# Altium PCB PDB_PCB2.PcbDoc (part 1 of 3) (continued)
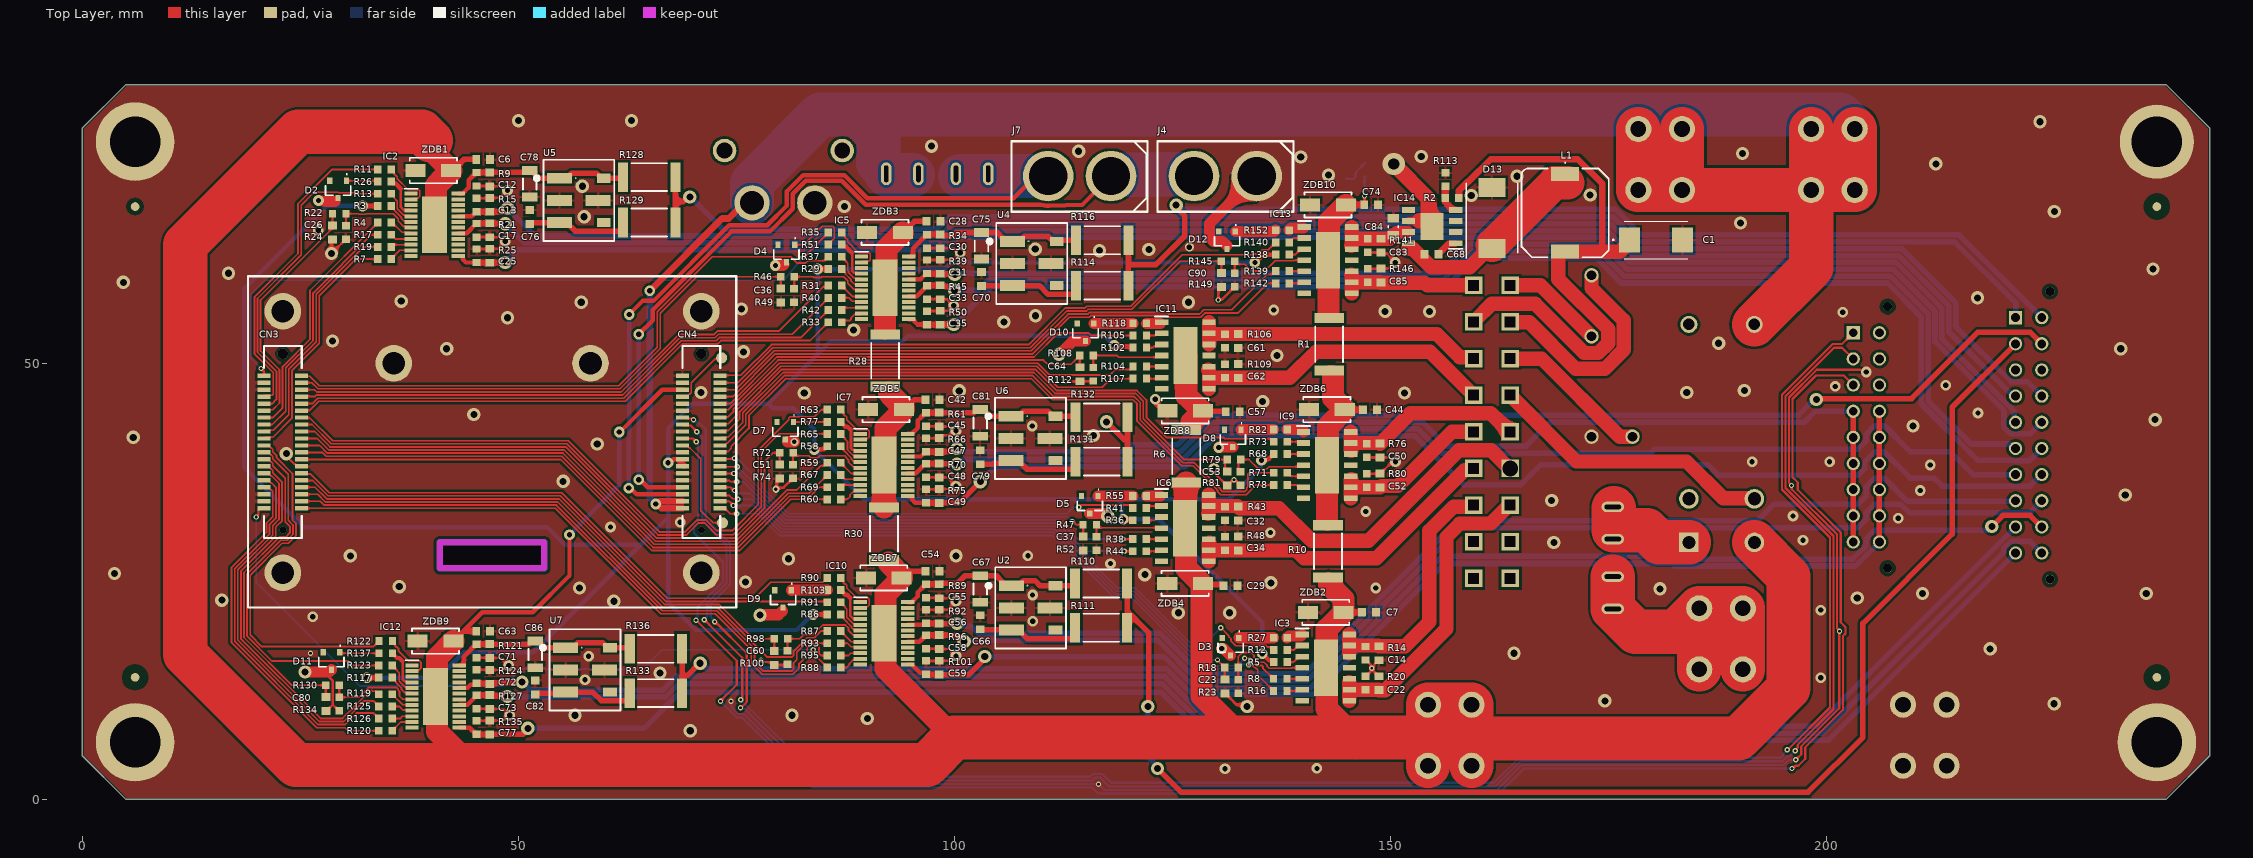
[diagram p0: Top Layer view]
## Design rules (kind name [scope] priority, off if disabled: settings) (continued)
Width [All] p1: maxlimit=5.08 minlimit=0.152 preferedwidth=0.254
15 further rules are at their usual default settings.

## Components (designator, comment, footprint, x,y, rotation, side; value= is the part's Value field where it differs from the comment)
C1 "10TPB330M" POSCAP_D12_D15_D15E_D2E_D2_D3L_D4 180.492,64.175 r0 top
C6 "100nF" CAPC1608X08N__0603CAPUNPOLE 45.974,73.406 r0 top
C7 "100nF" CAPC1608X08N__0603CAPUNPOLE 147.574,21.463 r0 top
C12 "10nF" CAPC1608X08N__0603CAPUNPOLE 46.736,71.12 r90 top
C13 "10nF" CAPC1608X08N__0603CAPUNPOLE 46.736,68.199 r270 top
C14 "10nF" CAPC1608X08N__0603CAPUNPOLE 148.717,16.764 r90 top
C17 "10nF" CAPC1608X08N__0603CAPUNPOLE 46.736,65.278 r90 top
C22 "10nF" CAPC1608X08N__0603CAPUNPOLE 148.717,13.335 r270 top
C23 "100pF" CAPC1608X08N__0603CAPUNPOLE 131.064,12.954 r90 top
C25 "10nF" CAPC1608X08N__0603CAPUNPOLE 46.736,62.357 r270 top
C26 "100pF" CAPC1608X08N__0603CAPUNPOLE 28.702,65.024 r90 top
C28 "100nF" CAPC1608X08N__0603CAPUNPOLE 97.643,66.301 r0 top
C29 "100nF" CAPC1608X08N__0603CAPUNPOLE 131.679,24.524 r0 top
C30 "10nF" CAPC1608X08N__0603CAPUNPOLE 98.405,64.015 r90 top
C31 "10nF" CAPC1608X08N__0603CAPUNPOLE 98.405,61.094 r270 top
C32 "10nF" CAPC1608X08N__0603CAPUNPOLE 132.568,32.779 r90 top
C33 "10nF" CAPC1608X08N__0603CAPUNPOLE 98.405,58.173 r90 top
C34 "10nF" CAPC1608X08N__0603CAPUNPOLE 132.568,29.35 r270 top
C35 "10nF" CAPC1608X08N__0603CAPUNPOLE 98.405,55.252 r270 top
C36 "100pF" CAPC1608X08N__0603CAPUNPOLE 80.117,57.792 r90 top
C37 "100pF" CAPC1608X08N__0603CAPUNPOLE 114.788,29.35 r90 top
C42 "100nF" CAPC1608X08N__0603CAPUNPOLE 97.516,45.854 r0 top
C44 "100nF" CAPC1608X08N__0603CAPUNPOLE 147.701,44.704 r0 top
C45 "10nF" CAPC1608X08N__0603CAPUNPOLE 98.278,43.568 r90 top
C47 "10nF" CAPC1608X08N__0603CAPUNPOLE 98.278,40.647 r270 top
C48 "10nF" CAPC1608X08N__0603CAPUNPOLE 98.278,37.726 r90 top
C49 "10nF" CAPC1608X08N__0603CAPUNPOLE 98.278,34.805 r270 top
C50 "10nF" CAPC1608X08N__0603CAPUNPOLE 148.844,40.005 r90 top
C51 "100pF" CAPC1608X08N__0603CAPUNPOLE 79.99,37.599 r90 top
C52 "10nF" CAPC1608X08N__0603CAPUNPOLE 148.844,36.576 r270 top
C53 "100pF" CAPC1608X08N__0603CAPUNPOLE 131.318,36.817 r90 top
C54 "100nF" CAPC1608X08N__0603CAPUNPOLE 97.516,26.169 r0 top
C55 "10nF" CAPC1608X08N__0603CAPUNPOLE 98.278,23.883 r90 top
C56 "10nF" CAPC1608X08N__0603CAPUNPOLE 98.278,20.962 r270 top
C57 "100nF" CAPC1608X08N__0603CAPUNPOLE 131.953,44.45 r0 top
C58 "10nF" CAPC1608X08N__0603CAPUNPOLE 98.278,18.041 r90 top
C59 "10nF" CAPC1608X08N__0603CAPUNPOLE 98.298,15.113 r270 top
C60 "100pF" CAPC1608X08N__0603CAPUNPOLE 79.355,16.225 r90 top
C61 "10nF" CAPC1608X08N__0603CAPUNPOLE 132.588,52.578 r90 top
C62 "10nF" CAPC1608X08N__0603CAPUNPOLE 132.588,49.149 r270 top
C63 "100nF" CAPC1608X08N__0603CAPUNPOLE 45.974,19.304 r0 top
C64 "100pF" CAPC1608X08N__0603CAPUNPOLE 114.427,48.768 r90 top
C66 "22uF\10V" CAPC1608X08N__0603CAPUNPOLE 102.997,20.32 r270 top
C67 "10uF 50V" CAPC3216X16N_1206CAPUNPOLE 102.997,24.13 r90 top
C68 "10nF" CAPC1608X08N__0603CAPUNPOLE 154.762,62.526 r180 top
C70 "22uF\10V" CAPC1608X08N__0603CAPUNPOLE 103.124,59.69 r270 top
C71 "10nF" CAPC1608X08N__0603CAPUNPOLE 46.736,17.018 r90 top
C72 "10nF" CAPC1608X08N__0603CAPUNPOLE 46.736,14.059 r270 top
C73 "10nF" CAPC1608X08N__0603CAPUNPOLE 46.736,11.176 r90 top
C74 "100nF" CAPC1608X08N__0603CAPUNPOLE 147.828,68.199 r0 top
C75 "10uF 50V" CAPC3216X16N_1206CAPUNPOLE 103.124,63.501 r90 top
C76 "22uF\10V" CAPC1608X08N__0603CAPUNPOLE 51.308,66.802 r270 top
C77 "10nF" CAPC1608X08N__0603CAPUNPOLE 46.736,8.255 r270 top
C78 "10uF 50V" CAPC3216X16N_1206CAPUNPOLE 51.308,70.612 r90 top
C79 "22uF\10V" CAPC1608X08N__0603CAPUNPOLE 102.977,39.25 r270 top
C80 "100pF" CAPC1608X08N__0603CAPUNPOLE 27.94,10.935 r90 top
C81 "10uF 50V" CAPC3216X16N_1206CAPUNPOLE 102.977,43.187 r90 top
C82 "22uF\10V" CAPC1608X08N__0603CAPUNPOLE 51.943,12.827 r270 top
C83 "10nF" CAPC1608X08N__0603CAPUNPOLE 148.951,63.513 r90 top
C84 "22uF" CAPC2012X06N__0805CAPUNPOLE 150.368,65.684 r270 top
C85 "10nF" CAPC1608X08N__0603CAPUNPOLE 148.951,60.084 r270 top
C86 "10uF 50V" CAPC3216X16N_1206CAPUNPOLE 51.943,16.637 r90 top
C90 "100pF" CAPC1608X08N__0603CAPUNPOLE 130.663,59.576 r90 top
CN3 "BTB_0.8mm_40Pin_Mother" BTB_0.8mm_40PIN_M 23,41 r0 top
CN4 "BTB_0.8mm_40Pin_Mother" BTB_0.8mm_40PIN_M 71,41 r0 top
D2 "BAS21,215" BAS21215 29.337,69.961 r180 top
D3 "BAS21,215" BAS21215 131.699,17.526 r180 top
D4 "BAS21,215" BAS21215 80.752,62.618 r180 top
D5 "BAS21,215" BAS21215 115.55,33.795 r180 top
D7 "BAS21,215" BAS21215 80.625,42.298 r180 top
D8 "BAS21,215" BAS21215 131.953,41.402 r180 top
D9 "BAS21,215" BAS21215 80.371,22.994 r180 top
D10 "BAS21,215" BAS21215 115.062,53.594 r180 top
D11 "BAS21,215" BAS21215 28.575,15.875 r180 top
D12 "BAS21,215" BAS21215 131.298,64.148 r180 top
D13 "B540C-13-F" DIOM7959X250N 161.696,66.675 r90 top
DCDC_IN "Bolt_Connecter" BOLT_CONNECTER 187.96,18.415 r270 bottom
FU1 "XF-506P" XF-506P 175.539,21.852 r90 bottom
FU2 "XF-506P" XF-506P 103.903,71.755 r180 bottom
GLVMS- "Bolt_Connecter" BOLT_CONNECTER 156.845,7.358 r90 bottom
GND "Bolt_Connecter" BOLT_CONNECTER 211.328,7.366 r90 bottom
HIGH "5569_18pin直插" 5569_18PIN 161.671,42.164 r270 bottom
IC2 "BTT62004ESAXUMA1" PG-TSDSO-24 40.406,65.906 r0 top
IC3 "BTT60502ERAXUMA1" PG-TDSO-14 142.621,15.113 r0 top
IC5 "BTT62004ESAXUMA1" PG-TSDSO-24 92.075,58.674 r0 top
IC6 "BTT60502ERAXUMA1" PG-TDSO-14 126.492,31.115 r0 top
IC7 "BTT62004ESAXUMA1" PG-TSDSO-24 91.948,38.354 r0 top
IC9 "BTT60502ERAXUMA1" PG-TDSO-14 142.768,38.341 r0 top
IC10 "BTT62004ESAXUMA1" PG-TSDSO-24 91.948,19.05 r0 top
IC11 "BTT60502ERAXUMA1" PG-TDSO-14 126.512,50.914 r0 top
IC12 "BTT62004ESAXUMA1" PG-TSDSO-24 40.533,11.804 r0 top
IC13 "BTT60502ERAXUMA1" PG-TDSO-14 142.875,61.849 r0 top
IC14 "TPS5450DDA" SOIC127P600X170-9N 154.813,65.71 r180 top
J4 "XT60H" AMASS_XT60_NOMAL 134.708,71.501 r180 top
J7 "XT60H" AMASS_XT60_NOMAL 117.983,71.501 r180 top
J12 "XT60PW-M" XT60PWM 80.41,68.422 r180 bottom
K1 "HF14FW/024-HSTF" HF14FW005HPTF 184.27,29.483 r90 bottom
K2 "HF46F_024-HS1T" HF46F024HS1T 177.801,41.611 r90 bottom
L1 "YSPI1040TP-220M" SDRH104R3R3NT 170.078,67.276 r180 top
LED1 "0805-G" DIOC2012X11N__0805DIO 145.491,72.187 r270 bottom
LOW1 "43045-2012" 43045-20YY_121314 221.742,55.259 r90 bottom
LOW2 "43045-1812" 43045-18YY_121314 203.121,53.529 r90 bottom
R1 "0Ω" RESC6432X06N__2512RES 143.002,52.197 r90 top
R2 "10K" RESC1608X04N_0603RES 157.087,68.986 r0 top
R3 "10K" RESC1608X04N_0603RES 34.671,68.072 r180 top
R4 "10K" RESC1608X04N_0603RES 34.658,66.167 r180 top
R5 "10K" RESC1608X04N_0603RES 137.414,15.748 r180 top
R6 "0Ω" RESC6432X06N__2512RES 126.619,39.37 r90 top
R7 "10K" RESC1608X04N_0603RES 34.658,61.976 r180 top
R8 "10K" RESC1608X04N_0603RES 137.401,13.843 r180 top
R9 "47K" RESC1608X04N_0603RES 45.212,71.133 r90 top
R10 "0Ω" RESC6432X06N__2512RES 142.875,28.448 r90 top
R11 "10K" RESC1608X04N_0603RES 34.671,72.263 r180 top
R12 "10K" RESC1608X04N_0603RES 137.414,17.145 r180 top
R13 "10K" RESC1608X04N_0603RES 34.671,69.469 r180 top
R14 "47K" RESC1608X04N_0603RES 147.193,16.764 r90 top
R15 "47K" RESC1608X04N_0603RES 45.212,68.186 r270 top
R16 "10K" RESC1608X04N_0603RES 137.401,12.446 r180 top
R17 "10K" RESC1608X04N_0603RES 34.658,64.77 r180 top
R18 "10K" RESC1608X04N_0603RES 131.813,15.113 r180 top
R19 "10K" RESC1608X04N_0603RES 34.658,63.373 r180 top
R20 "47K" RESC1608X04N_0603RES 147.193,13.335 r270 top
R21 "47K" RESC1608X04N_0603RES 45.212,65.278 r90 top
R22 "10K" RESC1608X04N_0603RES 29.464,67.183 r180 top
R23 "4.7K" RESC1608X04N_0603RES 132.588,12.954 r90 top
R24 "1.2K" RESC1608X04N_0603RES 30.226,65.011 r90 top
R25 "47K" RESC1608X04N_0603RES 45.212,62.357 r270 top
R26 "27" RESC1608X04N_0603RES 34.671,70.866 r0 top
R27 "27" RESC1608X04N_0603RES 137.414,18.542 r180 top
R28 "0Ω" RESC6432X06N__2512RES 92.075,50.34 r90 top
R29 "10K" RESC1608X04N_0603RES 86.34,60.84 r180 top
R30 "0Ω" RESC6432X06N__2512RES 91.948,30.48 r90 top
R31 "10K" RESC1608X04N_0603RES 86.347,58.928 r180 top
R32 "3K" RESC1608X04N_0603RES 147.117,72.187 r270 bottom
R33 "10K" RESC1608X04N_0603RES 86.347,54.737 r180 top
R34 "47K" RESC1608X04N_0603RES 96.881,64.015 r90 top
R35 "10K" RESC1608X04N_0603RES 86.34,65.031 r180 top
R36 "10K" RESC1608X04N_0603RES 121.265,32.017 r180 top
R37 "10K" RESC1608X04N_0603RES 86.34,62.237 r180 top
R38 "10K" RESC1608X04N_0603RES 121.265,29.858 r180 top
R39 "47K" RESC1608X04N_0603RES 96.881,61.094 r270 top
R40 "10K" RESC1608X04N_0603RES 86.347,57.531 r180 top
R41 "10K" RESC1608X04N_0603RES 121.265,33.414 r180 top
R42 "10K" RESC1608X04N_0603RES 86.347,56.134 r180 top
R43 "47K" RESC1608X04N_0603RES 131.044,32.779 r90 top
R44 "10K" RESC1608X04N_0603RES 121.265,28.461 r180 top
R45 "47K" RESC1608X04N_0603RES 96.881,58.16 r90 top
R46 "10K" RESC1608X04N_0603RES 80.879,59.951 r180 top
R47 "10K" RESC1608X04N_0603RES 115.55,31.509 r180 top
R48 "47K" RESC1608X04N_0603RES 131.044,29.35 r270 top
R49 "1.2K" RESC1608X04N_0603RES 81.641,57.792 r90 top
R50 "47K" RESC1608X04N_0603RES 96.881,55.239 r270 top
R51 "27" RESC1608X04N_0603RES 86.34,63.634 r0 top
R52 "4.7K" RESC1608X04N_0603RES 116.312,29.337 r90 top
R55 "27" RESC1608X04N_0603RES 121.265,34.811 r180 top
R58 "10K" RESC1608X04N_0603RES 86.22,40.513 r180 top
R59 "10K" RESC1608X04N_0603RES 86.22,38.608 r180 top
R60 "10K" RESC1608X04N_0603RES 86.22,34.417 r180 top
R61 "47K" RESC1608X04N_0603RES 96.754,43.581 r90 top
R63 "10K" RESC1608X04N_0603RES 86.22,44.704 r180 top
R65 "10K" RESC1608X04N_0603RES 86.22,41.91 r180 top
R66 "47K" RESC1608X04N_0603RES 96.754,40.66 r270 top
R67 "10K" RESC1608X04N_0603RES 86.22,37.211 r180 top
R68 "10K" RESC1608X04N_0603RES 137.427,39.624 r180 top
R69 "10K" RESC1608X04N_0603RES 86.22,35.814 r180 top
R70 "47K" RESC1608X04N_0603RES 96.754,37.726 r90 top
R71 "10K" RESC1608X04N_0603RES 137.414,37.465 r180 top
R72 "10K" RESC1608X04N_0603RES 80.752,39.758 r180 top
R73 "10K" RESC1608X04N_0603RES 137.427,41.021 r180 top
R74 "1.2K" RESC1608X04N_0603RES 81.514,37.599 r90 top
R75 "47K" RESC1608X04N_0603RES 96.754,34.792 r270 top
R76 "47K" RESC1608X04N_0603RES 147.32,40.005 r90 top
R77 "27" RESC1608X04N_0603RES 86.22,43.307 r0 top
R78 "10K" RESC1608X04N_0603RES 137.414,36.068 r180 top
R79 "10K" RESC1608X04N_0603RES 132.08,38.976 r180 top
R80 "47K" RESC1608X04N_0603RES 147.32,36.576 r270 top
R81 "4.7K" RESC1608X04N_0603RES 132.842,36.817 r90 top
R82 "27" RESC1608X04N_0603RES 137.414,42.418 r180 top
R86 "10K" RESC1608X04N_0603RES 86.213,21.216 r180 top
R87 "10K" RESC1608X04N_0603RES 86.22,19.304 r180 top
R88 "10K" RESC1608X04N_0603RES 86.22,15.113 r180 top
R89 "47K" RESC1608X04N_0603RES 96.754,23.896 r90 top
R90 "10K" RESC1608X04N_0603RES 86.2,25.407 r180 top
R91 "10K" RESC1608X04N_0603RES 86.213,22.613 r180 top
R92 "47K" RESC1608X04N_0603RES 96.754,20.975 r270 top
R93 "10K" RESC1608X04N_0603RES 86.22,17.907 r180 top
R95 "10K" RESC1608X04N_0603RES 86.22,16.51 r180 top
R96 "47K" RESC1608X04N_0603RES 96.754,18.054 r90 top
R98 "10K" RESC1608X04N_0603RES 80.117,18.422 r180 top
R100 "1.2K" RESC1608X04N_0603RES 80.879,16.263 r90 top
R101 "47K" RESC1608X04N_0603RES 96.774,15.113 r270 top
R102 "10K" RESC1608X04N_0603RES 121.285,51.816 r180 top
R103 "27" RESC1608X04N_0603RES 86.213,24.01 r0 top
R104 "10K" RESC1608X04N_0603RES 121.285,49.657 r180 top
R105 "10K" RESC1608X04N_0603RES 121.285,53.213 r180 top
R106 "47K" RESC1608X04N_0603RES 131.064,52.578 r90 top
R107 "10K" RESC1608X04N_0603RES 121.285,48.26 r180 top
R108 "10K" RESC1608X04N_0603RES 115.189,50.927 r180 top
R109 "47K" RESC1608X04N_0603RES 131.064,49.149 r270 top
R110 "0" RESC6432X06N__2512RES 116.84,24.765 r0 top
R111 "0" RESC6432X06N__2512RES 116.84,19.685 r0 top
R112 "4.7K" RESC1608X04N_0603RES 115.951,48.768 r90 top
R113 "1.8K" RESC1608X04N_0603RES 156.337,71.095 r270 top
R114 "0" RESC6432X06N__2512RES 116.967,58.928 r0 top
R116 "0" RESC6432X06N__2512RES 116.967,64.135 r0 top
R117 "10K" RESC1608X04N_0603RES 34.785,13.97 r180 top
R118 "27" RESC1608X04N_0603RES 121.285,54.61 r180 top
R119 "10K" RESC1608X04N_0603RES 34.785,12.065 r180 top
R120 "10K" RESC1608X04N_0603RES 34.785,7.874 r180 top
R121 "47K" RESC1608X04N_0603RES 45.212,17.031 r90 top
R122 "10K" RESC1608X04N_0603RES 34.798,18.161 r180 top
R123 "10K" RESC1608X04N_0603RES 34.785,15.367 r180 top
R124 "47K" RESC1608X04N_0603RES 45.212,14.097 r270 top
R125 "10K" RESC1608X04N_0603RES 34.785,10.668 r180 top
R126 "10K" RESC1608X04N_0603RES 34.785,9.271 r180 top
R127 "47K" RESC1608X04N_0603RES 45.212,11.176 r90 top
R128 "0" RESC6432X06N__2512RES 65.024,71.374 r0 top
R129 "0" RESC6432X06N__2512RES 65.024,66.167 r0 top
R130 "10K" RESC1608X04N_0603RES 28.702,13.094 r180 top
R131 "0" RESC6432X06N__2512RES 116.899,38.742 r0 top
R132 "0" RESC6432X06N__2512RES 116.899,43.822 r0 top
R133 "0" RESC6432X06N__2512RES 65.786,12.192 r0 top
R134 "1.2K" RESC1608X04N_0603RES 29.464,10.935 r90 top
R135 "47K" RESC1608X04N_0603RES 45.212,8.255 r270 top
R136 "0" RESC6432X06N__2512RES 65.786,17.272 r0 top
R137 "27" RESC1608X04N_0603RES 34.798,16.764 r0 top
R138 "10K" RESC1608X04N_0603RES 137.635,62.497 r180 top
R139 "10K" RESC1608X04N_0603RES 137.635,60.592 r180 top
R140 "10K" RESC1608X04N_0603RES 137.635,63.894 r180 top
R141 "47K" RESC1608X04N_0603RES 147.427,63.513 r90 top
R142 "10K" RESC1608X04N_0603RES 137.635,59.195 r180 top
R145 "10K" RESC1608X04N_0603RES 131.425,61.735 r180 top
R146 "47K" RESC1608X04N_0603RES 147.427,60.084 r270 top
R149 "4.7K" RESC1608X04N_0603RES 132.187,59.576 r90 top
R152 "27" RESC1608X04N_0603RES 137.635,65.291 r180 top
U2 "K7805MT_1000R4" K7805MT_500R4 108.768,21.971 r270 top
U4 "K7805MT_1000R4" K7805MT_500R4 108.895,61.468 r270 top
U5 "K7805MT_1000R4" K7805MT_500R4 56.952,68.707 r270 top
U6 "K7805MT_1000R4" K7805MT_500R4 108.748,41.409 r270 top
U7 "K7805MT_1000R4" K7805MT_500R4 57.658,14.859 r270 top
VBAT1 "Bolt_Connecter" BOLT_CONNECTER 200.787,73.406 r270 bottom
VBAT2 "Bolt_Connecter" BOLT_CONNECTER 180.975,73.406 r270 bottom
ZDB1 "SMAJ58CA" SMA/DO214AC-BIPOLAR 40.259,72.136 r0 top value=58V
ZDB2 "SMAJ58CA" SMA/DO214AC-BIPOLAR 142.621,21.463 r0 top value=58V
ZDB3 "SMAJ58CA" SMA/DO214AC-BIPOLAR 92.055,65.031 r0 top value=58V
ZDB4 "SMAJ58CA" SMA/DO214AC-BIPOLAR 126.49,24.778 r0 top value=58V
ZDB5 "SMAJ58CA" SMA/DO214AC-BIPOLAR 92.182,44.711 r0 top value=58V
ZDB6 "SMAJ58CA" SMA/DO214AC-BIPOLAR 142.748,44.704 r0 top value=58V
ZDB7 "SMAJ58CA" SMA/DO214AC-BIPOLAR 91.928,25.407 r0 top value=58V
ZDB8 "SMAJ58CA" SMA/DO214AC-BIPOLAR 126.492,44.577 r0 top value=58V
ZDB9 "SMAJ58CA" SMA/DO214AC-BIPOLAR 40.513,18.161 r0 top value=58V
ZDB10 "SMAJ58CA" SMA/DO214AC-BIPOLAR 142.875,68.199 r0 top value=58V

## Footprints (in the part's own frame and the unit in brackets; to place one, negate y for a bottom-side part, rotate by r counter-clockwise, add the part's x,y. Pads: shape width x height; smd on the part's side, far side on the other; paste and mask are expansions set on the pad)
5569_18PIN [mm] "5569直插18PIN"
  rect 2x2 hole 1.2 square: 1(16.8,-2.1) 2(12.6,-2.1) 3(8.4,-2.1) 5(0,-2.1) 6(-4.2,-2.1) 7(-8.4,-2.1) 8(-12.6,-2.1) 9(-16.8,-2.1) 10(16.8,2.1) 11(12.6,2.1) 12(8.4,2.1) 13(4.2,2.1) 14(0,2.1) 15(-4.2,2.1) 16(-8.4,2.1) 17(-12.6,2.1) 18(-16.8,2.1)
  rect 2x2 hole 1.8: 4(4.2,-2.1)
  silkscreen extent -19.6,-5.26 19.6,6.2
43045-18YY_121314 [mm]
  rect 1.52x1.52 hole 1.02: 1(0,0)
  round 1.52 hole 1.02: 2(-3,0) 3(-6,0) 4(-9,0) 5(-12,0) 6(-15,0) 7(-18,0) 8(-21,0) 9(-24,0) 10(0,3) 11(-3,3) 12(-6,3) 13(-9,3) 14(-12,3) 15(-15,3) 16(-18,3) 17(-21,3) 18(-24,3)
  round 1.02 hole 1.02 unplated: 19(3,3.94) 20(-27,3.94)
  silkscreen extent -27.57,-3.17 5,5.6, body extent -27.4,-3.15 3.75,5.62, height 9.75
43045-20YY_121314 [mm]
  rect 1.52x1.52 hole 1.02: 1(0,0)
  round 1.52 hole 1.02: 2(-3,0) 3(-6,0) 4(-9,0) 5(-12,0) 6(-15,0) 7(-18,0) 8(-21,0) 9(-24,0) 10(-27,0) 11(0,3) 12(-3,3) 13(-6,3) 14(-9,3) 15(-12,3) 16(-15,3) 17(-18,3) 18(-21,3) 19(-24,3) 20(-27,3)
  round 1.02 hole 1.02 unplated: 21(3,3.94) 22(-30,3.94)
  silkscreen extent -30.58,-3.17 5,5.6, body extent -30.41,-3.15 3.75,5.62, height 9.75
AMASS_XT60_NOMAL [mm]
  round 5.8 hole 4.4 paste-2539.97 mask+0.05: +(7.2,0) -(0,0)
  silkscreen extent -4.2,-4 11.4,4.1, body extent -4.34,-4.01 11.59,4.19, height 37.12
BAS21215 [mm]
  rect 0.6x0.7 smd: 1(-0.95,-1) 2(0.95,-1) 3(0,1)
  silkscreen extent -1.45,-1.8 1.45,0.65, body extent -1.45,-1.2 1.45,1.2, height 0.95
BOLT_CONNECTER [mm]
  round 3 hole 1.8: 1(-3.5,2.5) 2(-3.5,-2.5) 3(3.5,2.5) 4(3.5,-2.5)
  silkscreen extent -3.5,-4 3.5,4
BTB_0.8mm_40PIN_M [mm] "0.8单槽板对板公母座合高5.0，公座，40PIN"
  rect 1.5x0.5 smd: 1(-2.16,7.6) 2(-2.16,6.8) 3(-2.16,6) 4(-2.16,5.2) 5(-2.16,4.4) 6(-2.16,3.6) 7(-2.16,2.8) 8(-2.16,2) 9(-2.16,1.2) 10(-2.16,0.4) 11(-2.16,-0.4) 12(-2.16,-1.2) 13(-2.16,-2) 14(-2.16,-2.8) 15(-2.16,-3.6) 16(-2.16,-4.4) 17(-2.16,-5.2) 18(-2.16,-6) 19(-2.16,-6.8) 20(-2.16,-7.6) 21(2.16,-7.6) 22(2.16,-6.8) 23(2.16,-6) 24(2.16,-5.2) 25(2.16,-4.4) 26(2.16,-3.6) 27(2.16,-2.8) 28(2.16,-2) 29(2.16,-1.2) 30(2.16,-0.4) 31(2.16,0.4) 32(2.16,1.2) 33(2.16,2) 34(2.16,2.8) 35(2.16,3.6) 36(2.16,4.4) 37(2.16,5.2) 38(2.16,6) 39(2.16,6.8) 40(2.16,7.6)
  silkscreen extent -2.16,-11 2.16,11
CAPC1608X08N__0603CAPUNPOLE [mm] "Chip Capacitor, 2-Leads, Body 1.60x0.80mm, IPC Medium Density"
  rect 0.9x1 smd: 1(-0.8,0) 2(0.8,0)
  body extent -0.8,-0.4 0.8,0.4, height 0.81
CAPC2012X06N__0805CAPUNPOLE [mm] "Chip Capacitor, 2-Leads, Body 2.00x1.23mm, IPC Medium Density"
  rect 0.95x1.35 smd: 1(-0.975,0) 2(0.975,0)
  silkscreen extent -0.1,-0.58 0.1,0.58, body extent -1,-0.63 1,0.63, height 1.26
CAPC3216X16N_1206CAPUNPOLE [mm] "Chip Capacitor, 2-Leads, Body 3.20x1.60mm, IPC Medium Density"
  rect 1x1.75 smd: 1(-1.525,0) 2(1.525,0)
  silkscreen extent -0.65,-0.77 0.65,0.77, body extent -1.6,-0.8 1.6,0.8, height 1.7
DIOC2012X11N__0805DIO [mm] "Chip Diode, 2-Leads, Body 2.00x1.25mm, IPC Medium Density"
  rect 0.8x1.4 smd: 1(-1.025,0) 2(1.025,0)
  silkscreen extent -1.78,-0.63 0.25,0.64, body extent -1,-0.63 1,0.63, height 0.78
DIOM7959X250N [mm]
  rect 2.2x3.1 smd: 1(-3.5,0) 2(3.5,0)
  silkscreen extent -4.6,-2.95 3.97,2.95, body extent -3.97,-2.95 3.97,2.95, height 2.5
HF14FW005HPTF [mm]
  rect 2.25x2.25 hole 1.5: 1(0,0)
  round 2.25 hole 1.5: 2(5,0) 5(5,7.5) 6(0,7.5)
  round 1.95 hole 1.3: 3(25,0) 4(25,7.5)
  silkscreen extent -2.6,-2.75 27,10.25, body extent -2,-2.75 27,10.25, height 26.6
HF46F024HS1T [mm]
  round 1.65 hole 1.1: 1(0,0) 2(0,-4.7) 3(11.5,-4.7) 4(18.5,-4.7)
  silkscreen extent -2,-5.85 19.45,1.15, body extent -1.05,-5.85 19.45,1.15, height 15.7
K7805MT_500R4 [mm]
  round 0.2 smd mask+0.1: 0(-2.557,-0.369)
  rect 1.25x2.87 smd mask+0.102: 1(-2.54,-2.215) 2(0,-2.215) 3(2.54,-2.215) 5(0,2.215)
  rect 1.05x1.58 smd mask+0.102: 4(2.54,2.86) 6(-2.54,2.86)
  silkscreen extent -4.65,-5.03 4.65,4.06, body extent -4.37,-3.53 4.63,3.47, height 3.1
PG-TDSO-14 [mm]
  rect 1.525x0.65 smd: 1(-2.712,3.81) 2(-2.712,2.54) 3(-2.712,1.27) 4(-2.712,0) 5(-2.712,-1.27) 6(-2.712,-2.54) 7(-2.712,-3.81) 8(2.712,-3.81) 9(2.712,-2.54) 10(2.712,-1.27) 11(2.712,0) 12(2.712,1.27) 13(2.712,2.54) 14(2.712,3.81)
  rect 2.75x6.5 smd: 15(0,0)
  silkscreen extent -3.47,4.48 -1.95,4.48, body extent -3,-4.33 3,4.33, height 1.15
PG-TSDSO-24 [mm]
  rect 1.525x0.45 smd: 1(-2.712,3.575) 2(-2.712,2.925) 3(-2.712,2.275) 4(-2.712,1.625) 5(-2.712,0.975) 6(-2.712,0.325) 7(-2.712,-0.325) 8(-2.712,-0.975) 9(-2.712,-1.625) 10(-2.712,-2.275) 11(-2.712,-2.925) 12(-2.712,-3.575) 13(2.712,-3.575) 14(2.712,-2.925) 15(2.712,-2.275) 16(2.712,-1.625) 17(2.712,-0.975) 18(2.712,-0.325) 19(2.712,0.325) 20(2.712,0.975) 21(2.712,1.625) 22(2.712,2.275) 23(2.712,2.925) 24(2.712,3.575)
  rect 2.87x6.5 smd: 25(0,0)
  silkscreen extent -3.47,4.15 -1.95,4.15, body extent -3,-4.33 3,4.33, height 1.15
POSCAP_D12_D15_D15E_D2E_D2_D3L_D4 [mm]
  rect 2.4x2.9 smd: 1(-3.05,0) 2(3.05,0)
  silkscreen extent -4.95,-2.15 3.65,2.15, body extent -3.65,-2.15 3.65,2.15, height 1.8
RESC1608X04N_0603RES [mm] "Chip Resistor, 2-Leads, Body 1.60x0.80mm, IPC Medium Density"
  rect 0.85x0.9 smd: 1(-0.775,0) 2(0.775,0)
  body extent -0.8,-0.4 0.8,0.4, height 0.47
RESC6432X06N__2512RES [mm] "Chip Resistor, 2-Leads, Body 6.35x3.20mm, IPC Medium Density"
  rect 1.15x3.4 smd: 1(-3,0) 2(3,0)
  silkscreen extent -2.05,-1.6 2.05,1.6, body extent -3.2,-1.6 3.2,1.6, height 1.1
SDRH104R3R3NT [mm]
  rect 3.2x1.6 smd: 1(0,-4.45) 2(0,4.45)
  silkscreen extent -5,-5.8 5,5.1, body extent -5,-5.1 5,5.1, height 4.2
SMA/DO214AC-BIPOLAR [mm] "Molded Diode, 2-Leads, Body 5.14x2.56mm, IPC Medium Density"
  rect 2.3x1.5 smd: 1(-2.05,0) 2(2.05,0)
  silkscreen extent -2.7,-1.45 2.7,1.45, body extent -2.6,-1.45 2.6,1.45, height 2.3
SOIC127P600X170-9N [mm]
  rect 1.525x0.65 smd: 1(-2.712,1.905) 2(-2.712,0.635) 3(-2.712,-0.635) 4(-2.712,-1.905) 5(2.712,-1.905) 6(2.712,-0.635) 7(2.712,0.635) 8(2.712,1.905)
  rect 2.6x3.1 smd: 9(0,0)
  silkscreen extent -3.47,2.58 -1.95,2.58, body extent -3.01,-2.45 3.01,2.45, height 1.57
XF-506P [mm] "for-automotivefuse-mini"
  oval 1.2x2.6 hole 0.5 slot 1.9 at 90 deg: 1(0,0) 1(3.7,0) 2(8,0) 2(11.7,0)
  silkscreen extent -1.55,-2.75 13.25,2.05
XT60PWM [mm]
  round 4.05 hole 2.7: 1(-3.6,0) 2(3.6,0)
  round 2.7 hole 1.8: 3(6.75,6) 4(-6.75,6)
  silkscreen extent -7.75,-1.85 7.75,16.35, body extent -7.95,-1.98 7.95,16.3, height 8.44

## Part data
C1: "Capacitor Polarised", Manufacturer_Name=Panasonic, Mouser Part Number=667-10TPB330M, Arrow Part Number=10TPB330M, Arrow Price/Stock=https://www.arrow.com/en/products/10tpb330m/panasonic?region=nac, Datasheet Link=http://industrial.panasonic.com/cdbs/www-data/pdf/AAA8000/AAA8000C65.pdf, Manufacturer_Part_Number=10TPB330M, Mouser Price/Stock=https://www.mouser.co.uk/ProductDetail/Panasonic/10TPB330M?qs=OE1iw1LrrPGJ%2FhG9UwG4gg%3D%3D
C6 C7 C12 C13 C14 C17 C22 C23 C25 C26 C28 C29 C30 C31 C32 C33 C34 C35 C36 C37 C42 C44 C45 C47 C48 C49 C50 C51 C52 C53 C54 C55 C56 C57 C58 C59 C60 C61 C62 C63 C64 C68 C71 C72 C73 C74 C77 C80 C83 C84 C85 C90: library part SMD_MLCC, "Std MLCC Cap", voltage rating=?V
  C6 C7 C28 C29 C42 C44 C54 C57 C63 C74: Type=100nF
  C12 C13 C14 C17 C22 C25 C30 C31 C32 C33 C34 C35 C45 C47 C48 C49 C50 C52 C55 C56 C58 C59 C61 C62 C68 C71 C72 C73 C77 C83 C85: Type=10nF
  C23 C26 C36 C37 C51 C53 C60 C64 C80 C90: Type=100pF
  C84: Type=22uF
C66 C67 C70 C75 C76 C78 C79 C81 C82 C86: library part SMD_MLCC, "Std MLCC Cap"
  C66 C70 C76 C79 C82: Type=22uF\10V
  C67 C75 C78 C81 C86: Type="10uF 50V"
D2 D3 D4 D5 D7 D8 D9 D10 D11 D12: "Diode", Manufacturer_Name=Nexperia, Mouser Part Number=771-BAS21-T/R, Arrow Part Number=BAS21,215, Arrow Price/Stock=https://www.arrow.com/en/products/bas21215/nexperia, Datasheet Link=https://assets.nexperia.com/documents/data-sheet/BAS21.pdf, Height=1.1mm, Manufacturer_Part_Number=BAS21,215, Mouser Price/Stock=https://www.mouser.co.uk/ProductDetail/Nexperia/BAS21215?qs=me8TqzrmIYVAUvbefFMRnQ%3D%3D
D13: "Diode", Manufacturer_Name="Diodes Incorporated", Mouser Part Number=621-B540C-F, Arrow Part Number=B540C-13-F, Arrow Price/Stock=https://www.arrow.com/en/products/b540c-13-f/diodes-incorporated?region=nac, Datasheet Link=https://componentsearchengine.com/Datasheets/2/B540C-13-F.pdf, Height=2.5mm, Manufacturer_Part_Number=B540C-13-F, Mouser Price/Stock=https://www.mouser.co.uk/ProductDetail/Diodes-Incorporated/B540C-13-F?qs=v2dnQLbuoRZXHN%2FK4ft5%252Bg%3D%3D
FU1 FU2: "小型汽车插片保险丝座"
IC2 IC5 IC7 IC10 IC12: "Integrated Circuit", Manufacturer_Name=Infineon, Mouser Part Number=726-BTT62004ESAXUMA1, Arrow Part Number=BTT62004ESAXUMA1, Arrow Price/Stock=https://www.arrow.com/en/products/btt62004esaxuma1/infineon-technologies-ag, Datasheet Link=https://componentsearchengine.com/Datasheets/2/BTT62004ESAXUMA1.pdf, Height=1.15mm, Manufacturer_Part_Number=BTT62004ESAXUMA1, Mouser Price/Stock=https://www.mouser.co.uk/ProductDetail/Infineon-Technologies/BTT62004ESAXUMA1?qs=unwgFEO1A6tpV1sLwJtTRA%3D%3D
IC3 IC6 IC9 IC11 IC13: "Integrated Circuit", Manufacturer_Name=Infineon, Mouser Part Number=726-BTT60502ERAXUMA1, Arrow Part Number=BTT60502ERAXUMA1, Arrow Price/Stock=https://www.arrow.com/en/products/btt60502eraxuma1/infineon-technologies-ag?region=nac, Datasheet Link=https://www.infineon.com/dgdl/Infineon-BTT6050-2ERA-DS-v01_00-EN.pdf?fileId=5546d46269e1c019016a21d599df0d6a, Height=1.15mm, Manufacturer_Part_Number=BTT60502ERAXUMA1, Mouser Price/Stock=https://www.mouser.co.uk/ProductDetail/Infineon-Technologies/BTT60502ERAXUMA1?qs=mAH9sUMRCtsi1%2FDCmYjCiw%3D%3D
IC14: "Integrated Circuit", Manufacturer_Name="Texas Instruments", Mouser Part Number=595-TPS5450DDA, Arrow Part Number=TPS5450DDA, Arrow Price/Stock=https://www.arrow.com/en/products/tps5450dda/texas-instruments?region=nac, Datasheet Link=http://www.ti.com/lit/ds/symlink/tps5450.pdf, Height=1.7mm, Manufacturer_Part_Number=TPS5450DDA, Mouser Price/Stock=https://www.mouser.co.uk/ProductDetail/Texas-Instruments/TPS5450DDA?qs=h%2FYsCRHtaqPow3uMxnjN5A%3D%3D
J4 J7: library part AmassXTxx_Connector, Type=XT60H
J12: "Connector", Manufacturer_Name="Changzou Amass Elec", Datasheet Link=https://www.tme.eu/Document/9b8d0c5eb7094295f3d3112c214d3ade/XT60PW%20SPEC.pdf, Height=8.4mm, Manufacturer_Part_Number=XT60PW-M
K1: "Relay or Contactor", Manufacturer_Name=Hongfa, Datasheet Link=https://docs.rs-online.com/d608/0900766b81663c99.pdf, Height=26.5mm, Manufacturer_Part_Number=HF14FW/024-HSTF
K2: "Relay or Contactor", Manufacturer_Name=Hongfa, Manufacturer_Part_Number=HF46F/024-HS1T, Datasheet Link=https://www.tme.com/Document/c87786c546bba5bb9984c9460ff2ec46/HF46F_en.pdf, Height=15.6mm
L1: library part SDRH104R-3R3NT, "Inductor", Manufacturer_Name=TSA, Datasheet Link=http://www.tsasun.com/uploadfile/SDRH%20Series.pdf, Height=4.1mm, Manufacturer_Part_Number=SDRH104R-3R3NT
LED1: library part LED, "Light Emitting Diode", Type=0805-G, Type2=DIP-HDR1*2-R
LOW1: "Connector", Manufacturer_Name=Molex, Mouser Part Number=538-43045-2012, Datasheet Link=https://www.molex.com/pdm_docs/sd/430450612_sd.pdf, Height=9.91mm, Manufacturer_Part_Number=43045-2012, Mouser Price/Stock=https://www.mouser.co.uk/ProductDetail/Molex/43045-2012?qs=UeCeOHRHQeaNtH3DnNjSvA%3D%3D
LOW2: "Connector", Manufacturer_Name=Molex, Mouser Part Number=538-43045-1812, Datasheet Link=https://www.molex.com/pdm_docs/sd/430450612_sd.pdf, Height=9.91mm, Manufacturer_Part_Number=43045-1812, Mouser Price/Stock=https://www.mouser.co.uk/ProductDetail/Molex/43045-1812?qs=mrPiglD9aYKqQsv7cU%2F4pg%3D%3D
R1 R2 R3 R4 R5 R6 R7 R8 R9 R10 R11 R12 R13 R14 R15 R16 R17 R18 R19 R20 R21 R22 R23 R24 R25 R26 R27 R28 R29 R30 R31 R33 R34 R35 R36 R37 R38 R39 R40 R41 R42 R43 R44 R45 R46 R47 R48 R49 R50 R51 R52 R55 R58 R59 R60 R61 R63 R65 R66 R67 R68 R69 R70 R71 R72 R73 R74 R75 R76 R77 R78 R79 R80 R81 R82 R86 R87 R88 R89 R90 R91 R92 R93 R95 R96 R98 R100 R101 R102 R103 R104 R105 R106 R107 R108 R109 R110 R111 R112 R113 R114 R116 R117 R118 R119 R120 R121 R122 R123 R124 R125 R126 R127 R128 R129 R130 R131 R132 R133 R134 R135 R136 R137 R138 R139 R140 R141 R142 R145 R146 R149 R152: library part SMD_Resistor, "Std Resistor", power rating=100mW, voltage rating=75V
  R1 R6 R10 R28 R30: Type=0Ω
  R2 R3 R4 R5 R7 R8 R11 R12 R13 R16 R17 R18 R19 R22 R29 R31 R33 R35 R36 R37 R38 R40 R41 R42 R44 R46 R47 R58 R59 R60 R63 R65 R67 R68 R69 R71 R72 R73 R78 R79 R86 R87 R88 R90 R91 R93 R95 R98 R102 R104 R105 R107 R108 R117 R119 R120 R122 R123 R125 R126 R130 R138 R139 R140 R142 R145: Type=10K
  R9 R14 R15 R20 R21 R25 R34 R39 R43 R45 R48 R50 R61 R66 R70 R75 R76 R80 R89 R92 R96 R101 R106 R109 R121 R124 R127 R135 R141 R146: Type=47K
  R23 R52 R81 R112 R149: Type=4.7K
  R24 R49 R74 R100 R134: Type=1.2K
  R26 R27 R51 R55 R77 R82 R103 R118 R137 R152: Type=27
  R110 R111 R114 R116 R128 R129 R131 R132 R133 R136: Type=0
  R113: Type=1.8K
R32: library part SMD_Resistor, "Std Resistor", Type=3K
U2 U4 U5 U6 U7: library part K78052MT_1000R4
ZDB1 ZDB2 ZDB3 ZDB4 ZDB5 ZDB6 ZDB7 ZDB8 ZDB9 ZDB10: library part TVS_Diode_Bipolar, "Bipolar Transient Voltage Supressor", Type=SMAJ58CA
CN3 CN4: System=Connector

## Free pads (board coordinates)
  round 9 hole 5.8: 8(6.05,6.55) 8(6.05,75.45) 8(237.95,6.55)
  round 8.5 hole 5.8: 8(237.95,75.45)
  round 1 smd: 9(6.05,68) 10(6.05,14) 11(237.95,68) 12(237.95,14)
  round 1.27 smd: 13(73.431,31.725) 14(73.33,50.648)
  round 4.2 hole 2.6: 15(23,56) 16(71,56) 17(23,26) 18(71,26) 19(58.28,50.02) 20(35.72,50.02)

## Via types
v1: diameter 1.524, hole 0.813, Top Layer to Bottom Layer, 114 vias
v2: diameter 1.219, hole 0.61, Top Layer to Bottom Layer, 68 vias
v3: diameter 0.61, hole 0.305, Top Layer to Bottom Layer, 44 vias
v4: diameter 1.2, hole 1.2, Top Layer to Bottom Layer, 2 vias
v5: diameter 0.8, hole 0.8, Top Layer to Bottom Layer, 2 vias
v6: diameter 1.016, hole 0.61, Top Layer to Bottom Layer, 1 vias
v7: diameter 2.54, hole 1.27, Top Layer to Bottom Layer, 1 vias
v8: diameter 0.914, hole 0.508, Top Layer to Bottom Layer, 1 vias
v9: diameter 0.813, hole 0.406, Top Layer to Bottom Layer, 1 vias

## Nets (pads, with @x,y where several pads share a name; then routed paths per layer and width w, separated by ;. In a path a pad name is that pad's centre, name@x,y a point inside that pad or via, vN(x,y) a via of type N, cw(c..) or ccw(c..) an arc to the next point about the centre after c; other vN are vias at no path point)
5V: CN4.13 CN4.14 R3.2 R5.2 R29.2 R36.2 R58.2 R68.2 R86.2 R102.2 R117.2 R138.2 | length 396.2
  Top Layer w0.508: v2(32.131,68.072) R3.2@33.896,68.072 ; v2(32.639,13.97) R117.2@34.01,13.97 ; v2(67.183,38.608) 67.375,38.608 67.763,38.996 CN4.13@68.3,38.996 ; CN4.14@68.84,38.2 68.836,38.204 69.092,38.204 CN4.13@68.3,38.996 ; CN4.13@68.84,39 68.836,38.996 CN4.13@68.3,38.996 ; v2(83.82,21.209) 83.824,21.213 85.434,21.213 R86.2@85.438,21.216 ; v2(83.947,40.132) 85.089,40.132 85.445,40.488 R58.2@85.445,40.513 ; v2(84.328,60.833) 84.332,60.837 85.561,60.837 R29.2@85.565,60.84 ; v2(118.364,52.07) 118.491,51.943 120.383,51.943 R102.2@120.51,51.816 ; v2(119.38,32.131) 119.437,32.074 120.433,32.074 R36.2@120.49,32.017 ; v2(134.493,61.582) 134.603,61.582 135.518,62.497 R138.2@136.86,62.497 ; v2(135.255,38.9) 135.391,39.036 136.089,39.036 136.652,39.599 R68.2@136.652,39.624 ; v2(135.35,16.688) 135.397,16.688 136.14,15.944 136.468,15.944 136.639,15.773 R5.2@136.639,15.748
  Bottom Layer w0.508: v2(32.131,68.072) 28.042,68.072 18.567,58.598 18.567,38.075 25.4,31.242 53.34,31.242 55.372,29.21 64.052,29.21 ; v2(32.639,13.97) 40.822,13.97 43.743,16.891 51.733,16.891 64.052,29.21 ; v2(83.82,21.209) 83.726,21.209 81.948,19.431 70.358,19.431 67.183,22.606 67.183,32.341 ; v2(118.364,52.07) 117.246,53.188 94.699,53.188 94.089,52.578 85.852,52.578 84.328,51.054 ; 118.872,34.214 119.244,33.842 119.244,32.267 v2(119.38,32.131) 123.469,32.131 135.35,20.25 v2(135.35,16.688) ; v2(134.493,61.582) 99.664,61.582 98.915,60.833 v2(84.328,60.833) 84.328,51.054 ; v2(135.255,38.9) 135.148,38.793 135.148,38.083 131.482,34.417 118.872,34.417 89.662,34.417 v2(83.947,40.132) 83.947,42.469 81.534,44.882 79.197,44.882 78.676,45.402 ; 64.052,29.21 67.183,32.341 ; 67.183,32.341 v2(67.183,38.608) 67.183,42.545 70.04,45.402 78.676,45.402 ; 78.676,45.402 84.328,51.054
ACCU_PWR: C35.2 IC5.13 LOW1.16 R50.2 | length 149.5
  Top Layer w0.508: IC5.13@94.787,55.099 95.267,55.099 95.497,54.868 95.497,54.762 95.795,54.464 R50.2@96.881,54.464
  Top Layer w0.635: R50.2@96.881,54.464 96.887,54.458 98.399,54.458 C35.2@98.405,54.452 98.42,54.468 99.934,54.468 v1(99.949,54.483)
  Bottom Layer w0.635: v1(99.949,54.483) 104.267,58.801 156.405,58.801 159.682,62.078 173.663,62.078 176.508,59.233 207.03,59.233 210.922,55.341 210.922,45.384 217.378,38.927 221.59,38.927 221.696,38.822 223.305,38.822 LOW1.16@224.742,40.259
ACCU_PWR_EN: CN3.36 R42.2 | length 64.8
  Top Layer w0.203: CN3.36@25.207,45.4 26.355,45.4 26.98,46.025 62.108,46.025 68.687,52.603 72.71,52.603 73.101,52.995 82.458,52.995 85.572,56.109 R42.2@85.572,56.134